# KiCad board unibone.kicad_pcb (continued)
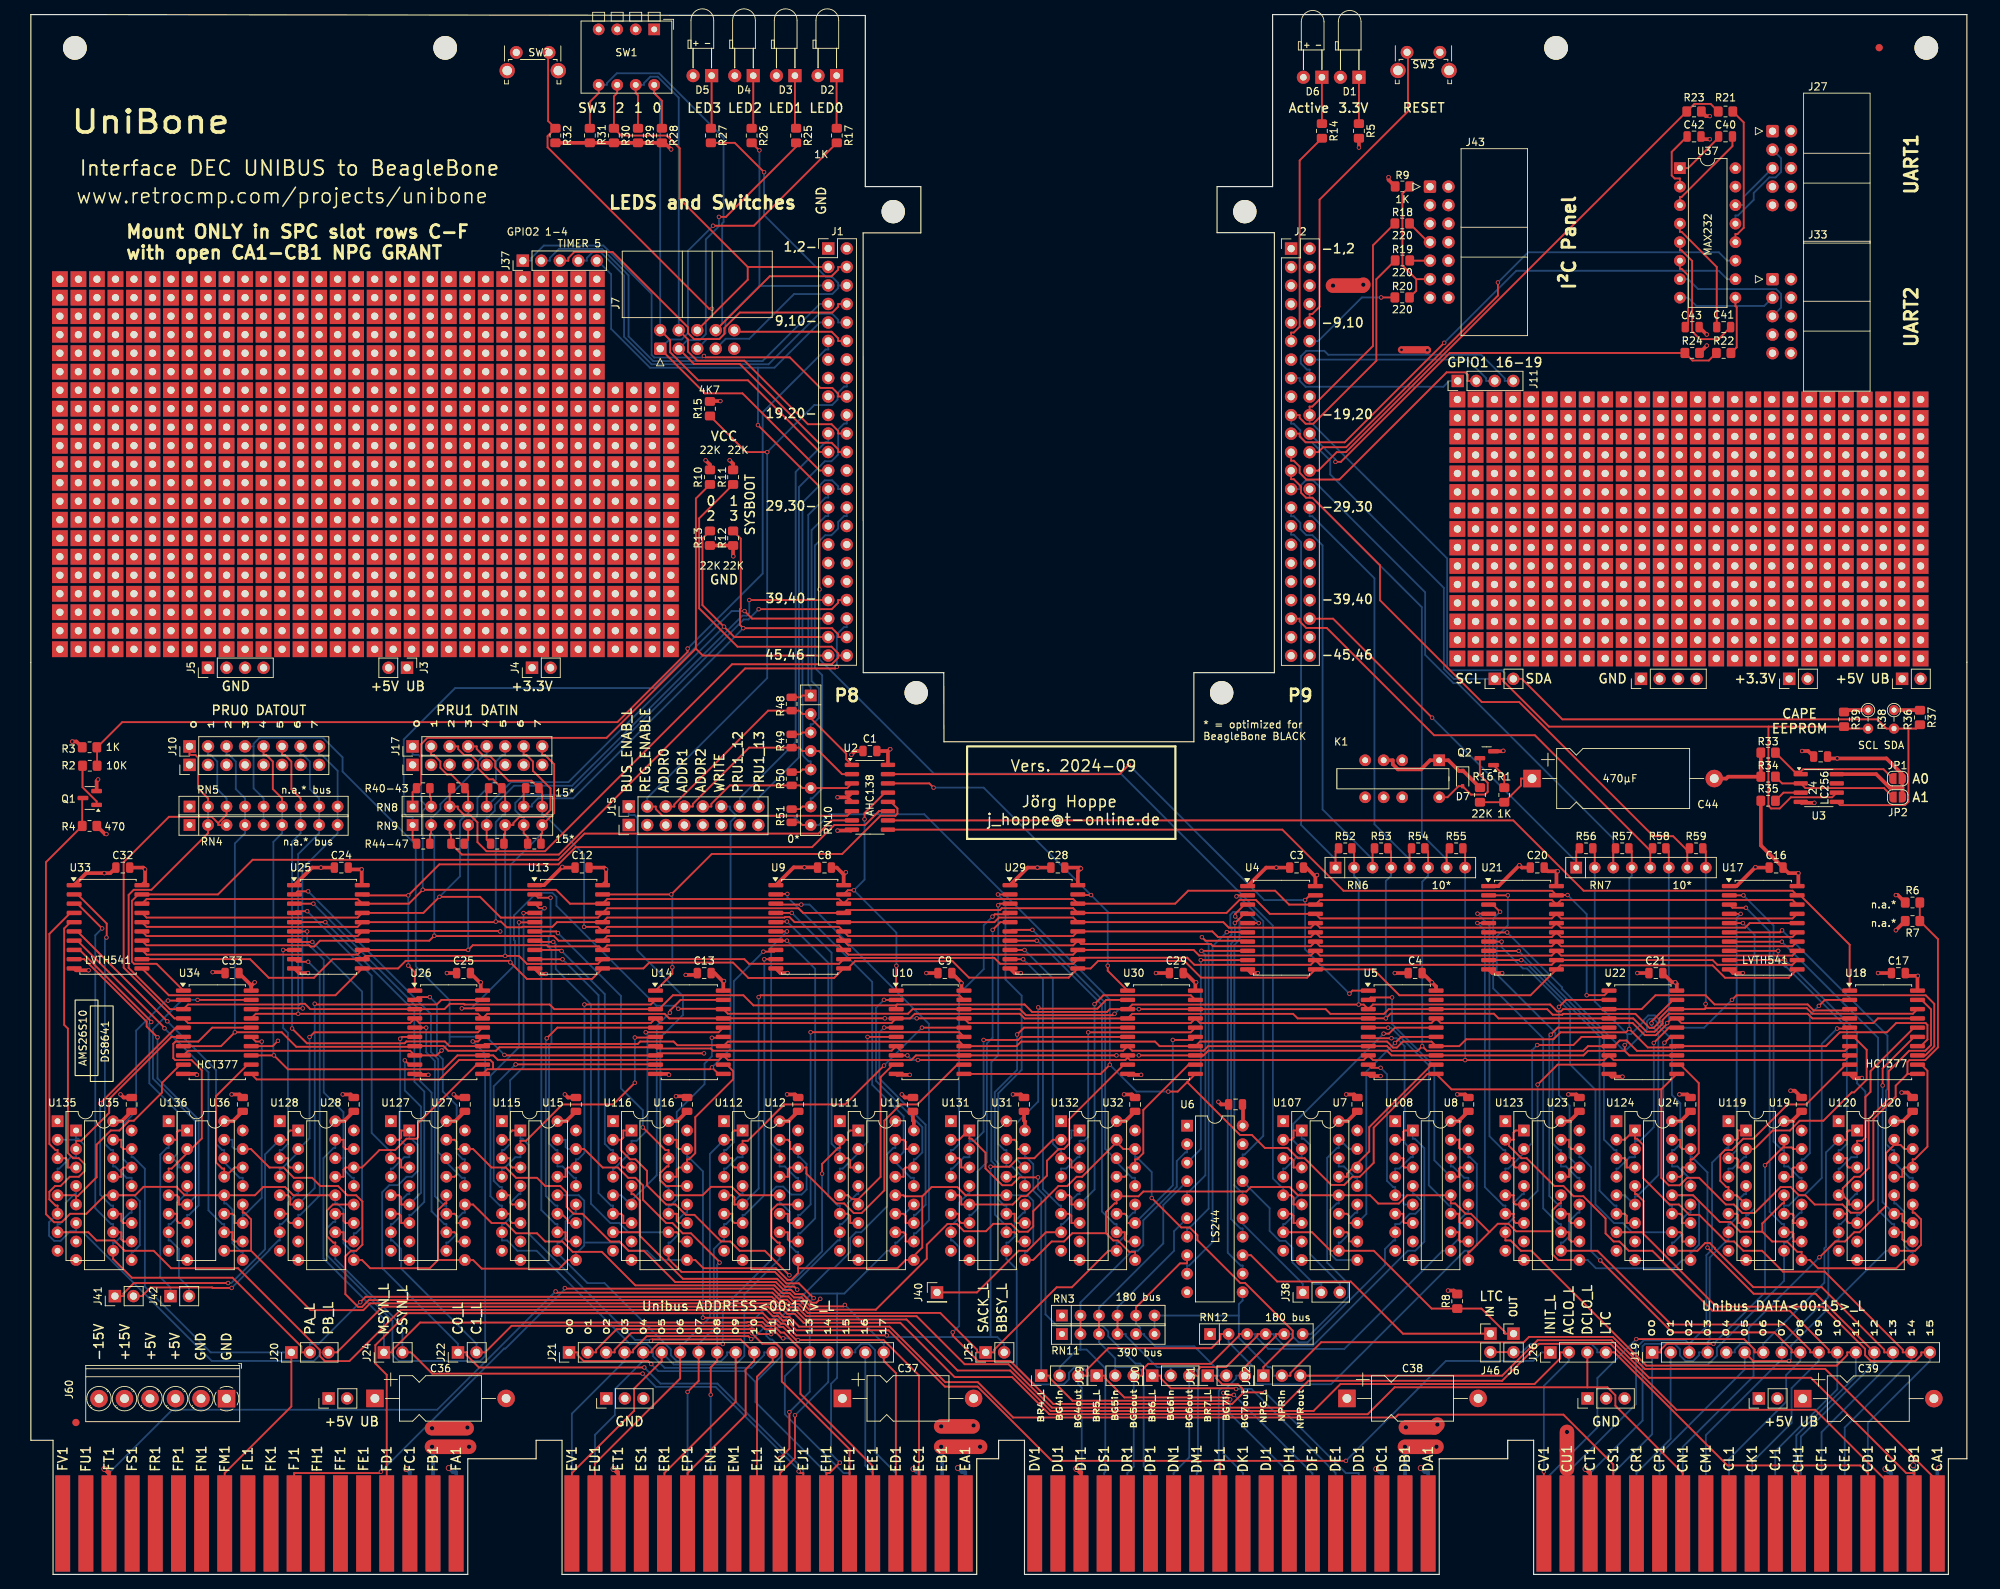
[diagram p0: board, top side]
## Routing (per net, layer and track width the routed paths; a pad name or vN(x,y) marks a point on that pad's centre or on a via; arc(x,y) is an arc through that point) (continued)
  In1.Cu w0.25: v1(230.34,200.18) v1(230.34,197.01) 230.34,194.02 U37.15 ; 252.99,83.01 252.53,82.55 ; 180.01,181.86 v1(186.27,191.8) v1(182.2,195.86) 193.27,206.93 193.27,208.28 ; J36.4 230.95,120.51 C44.2 230.84,109.14 ; 229.93,167.64 v1(229.93,168.69) v1(229.93,170.21)
  In1.Cu w0.4: 188.07,44.3 188.2,44.3 U8.7 ; 188.07,44.3 187.05,44.3 184.01,41.25 175.88,41.25 172.83,44.3 ; 188.07,44.3 190.1,42.27 190.1,41.76 190.61,41.25 199.25,41.25 202.29,44.3 203.31,44.3 ; 233.28,68.27 U119.1 232.9,62.21 ; 203.31,44.3 206.36,41.25 214.49,41.25 217.53,44.3 218.55,44.3 ; 203.31,44.3 203.44,44.3 U23.7 ; 233.79,44.3 232.77,44.3 229.73,41.25 221.6,41.25 218.55,44.3 ; 233.79,44.3 235.82,42.27 236.33,42.27 237.35,41.25 244.97,41.25 248.01,44.3 249.03,44.3 ; 233.79,44.3 234.3,44.81 234.43,44.81 U19.7 ; 127.49,44.43 U31.7 ; 127.49,44.43 126.22,44.43 123.55,41.76 114.92,41.76 112.25,44.43 ; 127.49,44.43 U31.8 130.16,41.76 138.79,41.76 141.33,44.3 142.35,44.3 ; 96.38,44.43 U12.7 ; 96.38,44.43 95.11,44.43 92.44,41.76 83.8,41.76 81.14,44.43 ; 96.38,44.43 99.04,41.76 108.31,41.76 110.98,44.43 112.25,44.43 ; 50.66,44.43 49.39,44.43 46.72,41.76 38.08,41.76 U28.8 35.42,44.43 ; 50.66,44.43 U27.7 ; 50.66,44.43 U27.8 53.32,41.76 61.96,41.76 64.63,44.43 65.9,44.43 ; 3.67,44.43 4.94,44.43 ; 4.94,44.43 U35.8 7.35,41.96 16.44,41.96 18.91,44.43 20.18,44.43 ; 4.94,44.43 U35.7 ; 202.29,68.33 U123.1 202.29,62.21 ; 142.35,44.3 142.48,44.3 U32.7 ; 142.35,44.3 146.41,40.24 157.13,40.24 U6.10 160.13,37.24 ; 141.33,62.21 U132.1 141.33,68.58 ; 35.42,44.43 U28.7 ; 35.42,44.43 34.15,44.43 31.48,41.76 22.84,41.76 U36.8 20.18,44.43 ; v1(218.36,68.33) U124.1 217.53,62.21 ; 218.55,44.3 218.68,44.3 U24.7 ; 49.39,62.21 U127.1 49.39,68.33 49.64,68.58 ; 64.88,68.58 64.63,68.33 U115.1 64.63,62.21 ; U6.1 158.63,61.6 159.62,62.59 162.92,62.59 ; J7.9 102.41,168.25 ; 160.13,37.19 167.75,37.19 171.81,41.25 171.81,44.3 172.83,44.3 ; U7.7 172.96,44.3 172.83,44.3 ; 171.81,62.21 U107.1 171.81,68.52 ; 20.18,44.43 U36.7 ; 81.14,44.43 79.87,44.43 77.2,41.76 68.56,41.76 U15.8 65.9,44.43 ; 81.14,44.43 U16.7 ; 110.98,62.21 U111.1 110.98,68.45 111.11,68.58 ; 79.87,62.21 U116.1 79.87,68.33 80.12,68.58 ; 126.09,68.58 126.22,68.45 U131.1 126.22,62.21 ; 264.37,41.76 251.75,41.96 U20.8 ; 95.36,68.58 95.11,68.33 U112.1 95.11,62.21 ; 162.92,62.59 162.92,62.38 U6.19 ; 162.92,62.59 162.92,64.62 ; 249.03,44.3 250.55,42.78 ; 249.03,44.3 249.16,44.3 U20.7 ; 7.99,68.43 3.67,64.11 U135.1 3.67,62.21 ; 33.89,68.58 34.15,68.33 U128.1 34.15,62.21 ; RN11.1 128.37,33 ; 65.9,44.43 U15.7 ; 112.25,44.43 U11.7 ; 187.18,62.21 U108.1 187.18,68.27 187.05,68.4 ; 18.91,62.21 U136.1 18.91,68.28 18.65,68.54 ; 248.52,68.16 248.01,67.66 U120.1 248.01,62.21
  In1.Cu w0.5: U12.8 97.65,43.16 ; 103.68,99.69 103.8,99.57 103.98,99.57 ; J13.2 216.11,24.16 ; C39.2 261.09,24.13 261.24,23.98 ; U107.8 171.82,44.3 ; 119.48,68.58 119.49,68.57 ; 215.22,175.01 218.89,171.34 218.92,171.34 ; 103.74,68.57 103.74,68.58 ; 110.67,100.2 110.67,100.07 111.09,99.66 ; U135.8 3.67,44.43 ; 204.14,45 U23.7 ; 126.22,44.43 U131.8 ; v1(244.69,105.92) 244.53,105.92 ; 160.18,37.19 160.13,37.24 ; SW3.2 193.27,208.91 193.27,208.28 ; 42.78,68.57 42.78,68.58 ; U11.8 113.52,43.16 ; 188.9,45 U8.7 ; U20.8 250.55,43.16 ; 230.83,100.23 230.84,100.24 ; 256.66,68.11 256.66,67.06 256.65,67.05 ; U24.8 219.88,42.97 ; v1(7.92,82.93) 8.02,82.93 8.02,82.93 ; U136.8 18.91,44.43 ; 189.6,42.93 U8.8 ; U123.8 202.3,44.3 ; 58.01,68.58 58.02,68.57 ; U16.8 82.41,43.16 ; U111.8 110.98,44.43 ; 134.72,68.58 134.73,68.57 ; U32.8 143.68,42.97 ; U124.8 217.54,44.3 ; v1(5.67,114.33) 5.61,114.26 5.55,114.26 ; U119.8 232.9,44.3 ; U120.8 248.02,44.3 ; 73.26,68.57 73.26,68.58 ; 189.6,42.78 189.6,42.71 ; 250.46,42.87 250.65,43.06 ; 129.32,24.16 129.35,24.13 ; 79.87,44.43 U116.8 ; v1(24.94,82.68) 24.94,82.68 24.94,82.61 ; 66.53,43.79 U15.8 ; U7.8 174.16,42.97 ; C38.2 198.55,24.13 ; U19.8 235.12,42.97 ; v1(255.86,88.42) 255.87,88.42 255.87,88.39 ; U128.8 34.15,44.43 ; 213.51,24.15 213.51,22.11 213.51,22.11 ; U132.8 141.34,44.3 ; U112.8 95.11,44.43 ; 5.57,43.79 U35.8 ; U108.8 187.18,44.3 ; 149.96,68.58 149.97,68.57 ; v1(10.08,96.27) 9.96,96.14 ; 210.93,67.71 210.93,68.33 ; 27.53,68.58 27.54,68.57 ; U23.8 204.64,42.97 ; 249.86,45 U20.7 ; U127.8 49.39,44.43 ; U115.8 64.63,44.43
  In1.Cu w1: v1(38.02,82.55) v1(57.07,82.55) v1(70.66,82.42) 81.51,82.35 ; v1(38.02,82.55) 24.94,82.61 8.18,82.68 ; v1(38.02,82.55) 37.52,82.55 ; 103.56,82.3 v1(103.81,82.55) ; v1(103.81,82.55) v1(122.86,82.55) v1(135.81,82.55) v1(154.36,82.55) v1(168.33,82.55) 171.37,82.55 ; v1(103.81,82.55) 97.71,82.55 95.94,84.33 91.11,84.33 91.04,84.18 v1(89.84,82.3) 84.21,82.33 ; 189.59,23.81 197.76,24.13 198.55,24.13 213.51,24.15 216.11,24.16 218.65,24.16 ; 189.59,23.81 U8.8 ; 189.59,23.81 184.58,18.8 v2(184.58,14.48) ; 9.96,96.14 9.96,98.93 18.47,99.06 ; 102.68,182.02 102.68,168.52 102.41,168.25 ; 102.68,182.02 J1.1 J1.2 ; 102.68,182.02 v1(87.84,195.61) ; 18.47,102.87 18.47,99.06 ; 18.47,102.87 18.58,118.73 18.59,119.45 ; 18.47,102.87 RN4.1 ; 18.47,99.06 39.8,99.06 ; 256.12,68.11 253.42,70.82 v1(253.42,82.55) v1(234.87,82.55) v1(220.4,82.55) v1(201.85,82.55) v1(187.12,82.55) 174.55,82.55 ; 256.12,68.11 v1(251.2,68.15) 248.52,68.16 241.41,68.22 ; 256.12,68.11 256.66,68.11 261.54,68.07 264.37,65.24 264.37,27.34 261.24,23.98 254.43,16.67 v2(254.43,14.48) ; 42.78,65.75 v1(42.78,65.89) 42.78,68.57 ; 149.97,68.57 v1(149.97,65.89) 149.97,65.75 ; 81.51,82.35 77.14,77.98 77.14,68.58 ; 81.51,82.35 84.21,82.33 ; 70.54,68.58 77.14,68.58 ; 70.54,68.58 70.03,68.58 ; 70.54,68.58 70.03,68.58 ; 106.13,99.6 v1(106.13,97.06) ; 106.13,99.6 108.2,99.62 111.09,99.66 122.83,99.79 125.65,99.82 137.85,99.82 ; 106.13,99.6 102.27,99.56 89.43,99.41 86.48,99.38 ; 103.74,65.75 v1(103.74,65.89) 103.74,68.57 ; 174.72,68.5 171.81,68.52 162.92,68.58 ; 174.72,68.5 180.45,68.45 ; 174.72,68.5 174.72,82.38 174.55,82.55 ; 83.09,99.34 86.48,99.38 ; 83.09,99.34 72.92,99.22 ; 83.09,99.34 82.85,99.57 82.85,102.87 ; 86.48,99.38 84.21,97.11 84.21,82.33 ; 77.14,68.58 v1(87.55,68.58) 88.5,68.58 ; 6.23,28.23 6.23,29.26 6.21,29.28 U35.8 ; 6.23,28.23 20.94,28.23 23.35,25.83 J60.2 J60.1 ; 6.23,28.23 6.27,20.07 v2(10.08,14.48) ; 252.99,88 255.87,88.39 256.12,88.42 ; 252.99,88 252.99,83.01 ; 252.99,88 252.99,101.35 ; 236.6,100.27 243.26,100.33 244.53,101.6 ; 236.6,100.27 v1(236.6,97.08) ; 236.6,100.27 232.11,100.24 230.83,100.23 220.08,100.13 204.22,100 ; 162.92,68.58 v1(162.92,64.88) 162.92,64.62 ; 162.92,68.58 v1(152.32,68.58) 135.31,68.58 ; 39.8,99.06 v1(39.8,97.03) ; 39.8,99.06 56.82,99.06 72.92,99.22 ; 12.3,68.48 7.99,68.43 8.02,82.93 8.05,95.46 9.83,96.14 ; 12.3,68.48 18.65,68.54 v1(22.78,68.58) 28.12,68.58 ; 12.3,68.47 v1(12.3,65.89) 12.3,65.75 ; 150.04,99.82 150.63,99.82 ; 150.04,99.82 137.85,99.82 ; 150.04,99.82 150.63,99.82 ; 150.63,99.82 170.87,99.82 ; 88.5,68.58 99.87,68.58 ; 88.5,68.58 v1(88.5,65.64) ; J14.1 C36.2 ; J14.1 v2(79.93,14.48) ; J14.1 J14.3 ; C36.2 67.17,33.34 U15.8 ; C36.2 55.68,24.26 51.49,18.29 v2(51.49,14.48) ; 102.41,161.07 v1(94.6,161.07) ; 101.27,68.58 99.87,68.58 ; 101.27,68.58 v1(120.57,68.58) 134.88,68.58 ; 101.27,68.58 99.87,68.58 ; 226.17,68.3 v1(218.36,68.33) 196.01,68.33 ; 226.17,68.3 226.17,68.3 ; 226.17,68.3 v1(226.17,65.89) ; 226.17,68.3 233.28,68.27 239.03,68.23 241.41,68.22 ; 72.92,99.22 v1(72.92,97.12) ; 244.53,111.19 244.53,112.27 243.76,113.03 v1(243,113.03) ; 171.37,82.55 174.55,82.55 ; 171.37,82.55 171.37,96.52 v1(170.87,97.03) 170.87,99.82 ; 180.45,68.45 v1(180.45,65.89) ; 180.45,68.45 v1(185.18,68.41) 187.05,68.4 192.74,68.35 196.01,68.33 ; 135.31,68.58 134.88,68.58 ; 135.31,68.58 134.88,68.58 ; J2.44 J2.46 ; J2.44 180.01,128.52 180.01,181.86 ; J2.44 J2.43 ; J2.46 175.44,100.08 175.18,99.82 ; J2.46 J2.45 ; 70.03,68.58 60.12,68.58 ; 28.63,68.58 28.12,68.58 ; 28.63,68.58 v1(54.53,68.58) 58.6,68.58 ; 28.63,68.58 28.12,68.58 ; 215.22,175.04 222.62,167.64 J33.9 238.94,166.44 240.02,165.35 241.78,165.35 247.07,170.64 247.07,179.83 J27.9 236.4,187.96 U37.15 ; 82.85,102.87 J57.2 J57.3 J57.4 J57.5 J57.6 J57.7 J57.8 ; 82.85,102.87 J57.1 81,102.87 J56.8 J56.7 J56.6 J56.5 J56.4 J56.3 J56.2 J56.1 J23.8 J23.7 J23.6 J23.5 J23.4 J23.3 J23.2 J23.1 18.53,111.12 ; v2(213.28,14.48) 213.51,22.11 J13.1 ; 60.12,68.58 58.6,68.58 ; 60.12,68.58 58.6,68.58 ; C37.2 121.11,24.16 121.08,24.13 v2(121.08,14.48) ; v2(143.43,14.48) 143.43,18.29 139.62,22.73 134.29,22.73 129.35,24.13 ; J36.1 220.9,121.09 v1(202.02,113.06) ; 102.41,137.8 103.68,136.52 103.68,99.69 ; 110.67,100.2 v1(110.67,102.11) v1(110.67,106.67) 110.67,112.39 v1(112.58,112.52) 112.7,112.52 ; 256.65,67.96 v1(256.65,66.15) 256.65,65.89 ; 170.87,99.82 175.18,99.82 ; 175.18,99.82 183.57,99.82 204.22,100 ; J43.14 215.22,175.01 ; J43.14 J43.13 189.47,175.26 182.87,181.86 180.01,181.86 ; J43.14 J43.12 J43.10 J43.8 J43.6 ; 196.01,68.33 195.58,68.33 v1(195.69,65.89) ; 204.22,100 v1(204.22,97.36) ; 180.01,181.86 176.46,181.86 176.33,182 J2.2 J2.1 ; 241.41,68.22 v1(241.41,66.4) 241.41,66.15 ; 18.59,119.45 18.63,124.49 ; 18.59,119.45 5.55,119.41 5.55,109.76 6.18,109.12 v1(9.23,109.12) 9.48,109.12 ; 27.54,65.75 v1(27.54,65.89) 27.54,68.57 ; v1(138.1,97.03) 137.85,97.28 137.85,99.82 ; 210.93,65.64 v1(210.93,65.89) 210.93,67.71 ; 134.73,65.75 v1(134.73,65.89) 134.73,68.57 ; 102.41,139.73 96.4,139.73 v1(96.38,139.75) 96.35,139.73 ; 119.49,65.75 v1(119.49,65.89) 119.49,68.57 ; 58.02,65.75 v1(58.02,65.89) 58.02,68.57 ; 230.84,100.24 C44.2 ; 73.26,68.57 v1(73.26,65.89) 73.26,65.75
  In1.Cu w1.5: J5.4 J5.3 J5.2 J5.1 18.63,124.49 ; J36.1 J36.2 J36.3 J36.4 228.14,122.55 ; 102.41,168.25 102.41,137.8 ; 244.53,111.19 244.53,101.6 252.73,101.6 ; C37.2 128.37,33 U31.8
  Bottom w0.5: J16.DC2 185.35,14.04 185.02,14.04 v2(184.58,14.48) ; v2(51.49,14.48) 51.92,14.04 52,14.04 52,12.83 ; J16.EC2 121.85,14.04 121.52,14.04 v2(121.08,14.48) ; J16.CC2 255.2,14.04 254.87,14.04 v2(254.43,14.48)
/DS8641-ADR07/busdriver3/in1: length 32
  Top w0.25: U11.14 120.02,55.86 119.73,55.57 119.73,54.59 U111.13 ; v1(117.04,78.87) U10.2
  Bottom w0.25: U11.14 121.14,56.98 121.36,56.98 122.3,57.93 122.3,61.4 115.95,67.75 115.95,77.78 v1(117.04,78.87)
/DS8641-ADR07/busdriver3/in2: length 35.8
  Top w0.25: U111.11 119.73,49.51 120.02,49.22 120.02,48.24 U11.11 ; v1(117.06,75.07) 118.71,75.07 U10.5
  Bottom w0.25: v1(117.06,75.07) 116.41,74.41 116.41,68.08 122.75,61.73 122.75,50.74 121.38,49.36 121.14,49.36 U11.11
/DS8641-ADR07/busdriver3/in3: length 25.2
  Top w0.25: U10.6 v1(114.79,73.79)
  Bottom w0.25: U11.2 113.52,58.12 ; 113.52,58.12 114.79,59.39 v1(114.79,73.79) ; 113.52,58.12 113.52,57.84 111.4,55.71 110.98,55.71 U111.4
/DS8641-ADR07/busdriver3/in4: length 24.4
  Top w0.25: 113.52,51.52 116.58,54.57 116.58,68.26 118.29,69.98 U10.9 ; 113.52,51.52 112.64,51.52 112.11,52.05 U111.5 ; 113.52,51.52 U11.5
/DS8641-ADR07/busdriver3/out1: length 50.4
  Top w0.25: U9.2 102.28,93.41 v1(103.79,93.41)
  Bottom w0.25: U111.14 118.6,56.85 ; 118.6,56.85 118.6,56.57 120.72,54.44 121.14,54.44 U11.13 ; 118.6,56.85 119.74,57.98 119.74,62.9 115.43,67.21 115.43,81.34 103.79,92.97 v1(103.79,93.41)
/DS8641-ADR07/busdriver3/out2: length 62.4
  Top w0.25: U9.3 102.33,91.95 v1(105.7,91.95) ; U11.10 120.02,45.7 120.02,46.68 119.73,46.97 U111.10
  Bottom w0.25: U11.10 121.14,46.82 121.42,46.82 123.21,48.61 123.21,75.57 106.83,91.95 v1(105.7,91.95)
/DS8641-ADR07/busdriver3/out3: length 42.4
  Top w0.25: U9.4 v1(104.39,90.81) ; U111.3 112.11,57.13 112.4,56.84 112.4,55.86 U11.3
  Bottom w0.25: v1(104.39,90.81) 109.86,85.34 109.86,59.1 110.7,58.25 110.98,58.25 U111.3
/DS8641-ADR07/busdriver3/out4: length 48.5
  Top w0.25: U11.6 112.4,48.24 112.4,49.22 112.11,49.51 U111.6 ; v1(103.74,89.62) 102.3,89.62 U9.5
  Bottom w0.25: U111.6 110.98,50.63 110.7,50.63 109.41,51.93 109.41,83.95 v1(103.74,89.62)
/DS8641-ADR07/busdriver4/in1: length 43.5
  Top w0.25: U112.13 103.85,54.59 103.85,55.57 104.14,55.86 U12.14 106.39,55.86 106.39,55.02 110.48,50.92 111.58,50.92 112.9,49.6 113.97,49.6 117.09,52.72 117.09,62.29 119.32,64.52 121.63,64.52 127.09,69.98 U10.12
/DS8641-ADR07/busdriver4/in2: length 52
  Top w0.25: U12.11 104.14,48.24 103.85,48.53 103.85,49.51 U112.11 ; U10.15 127.37,74.43 v1(106.98,74.43)
  Bottom w0.25: v1(106.98,74.43) 106.98,50.8 105.55,49.36 105.27,49.36 U12.11
/DS8641-ADR07/busdriver4/in3: length 43.4
  Top w0.25: U12.2 97.65,59.52 98.36,59.52 103.35,64.52 111.71,64.52 v1(117.05,69.85) ; U10.16 v1(122.25,75.06)
  Bottom w0.25: U12.2 97.65,57.27 96.95,57.27 95.39,55.71 95.11,55.71 U112.4 ; v1(117.05,69.85) v1(122.25,75.06)
/DS8641-ADR07/busdriver4/in4: length 61.6
  Top w0.25: U12.5 96.52,50.78 96.52,51.76 96.23,52.05 U112.5 ; v1(99.85,79.26) 100.09,79.5 127.38,79.5 U10.19
  Bottom w0.25: U12.5 99.85,52.98 v1(99.85,79.26)
/DS8641-ADR07/busdriver4/out1: length 39.6
  Top w0.25: 102.21,88.26 102.21,88.27 v1(103.73,88.27)
  Bottom w0.25: v1(103.73,88.27) 101.56,86.1 101.56,59.14 102.45,58.25 102.73,58.25 U112.14 102.73,56 103.43,56 104.99,54.44 105.27,54.44 U12.13
/DS8641-ADR07/busdriver4/out2: length 49.2
  Top w0.25: U12.10 104.14,45.7 103.85,45.99 103.85,46.97 U112.10 ; U9.7 v1(103.74,87)
  Bottom w0.25: U12.10 105.27,46.82 105.55,46.82 107.6,48.88 107.6,83.13 v1(103.74,87)
/DS8641-ADR07/busdriver4/out3: length 36.2
  Top w0.25: U12.3 96.52,55.86 96.23,56.15 96.23,57.13 U112.3 ; v1(100.5,85.49) 101.97,85.49 U9.8
  Bottom w0.25: v1(100.5,85.49) 96.45,81.43 96.45,59.31 95.39,58.25 95.11,58.25 U112.3
/DS8641-ADR07/busdriver4/out4: length 42.8
  Top w0.25: U12.6 96.52,48.24 96.23,48.53 96.23,49.51 U112.6 ; U9.9 102.2,84.45 v1(100.63,84.45)
  Bottom w0.25: U12.6 97.65,49.36 97.93,49.36 100.63,52.06 v1(100.63,84.45)
/DS8641-ADR167+MSYN/busdriver3/in1: length 31.4
  Top w0.25: v1(54.74,79.25) 53.06,79.25 U26.2 ; U127.13 58.13,54.59 58.42,54.88 58.42,55.86 U27.14
  Bottom w0.25: U27.14 59.55,56.98 59.27,56.98 58.42,57.83 58.42,64.39 56.52,66.29 56.52,70.72 55.72,71.52 55.72,78.27 v1(54.74,79.25)
/DS8641-ADR167+MSYN/busdriver3/in2: length 32.1
  Top w0.25: v1(54.24,75.06) U26.5 ; U127.11 58.13,49.51 58.42,49.22 58.42,48.24 U27.11
  Bottom w0.25: U127.11 57.01,50.63 56.73,50.63 55.43,51.93 55.43,70.48 54.24,71.68 v1(54.24,75.06)
/DS8641-ADR167+MSYN/busdriver3/in3: length 23.2
  Top w0.25: U26.6 50.93,73.79 v1(50.67,73.53)
  Bottom w0.25: U127.4 49.39,55.71 49.67,55.71 51.23,57.27 51.93,57.27 U27.2 50.67,59.65 v1(50.67,73.53)
/DS8641-ADR167+MSYN/busdriver3/in4: length 26.6
  Top w0.25: U27.5 50.8,50.78 50.8,51.76 50.51,52.05 U127.5 ; v1(51.31,70.56) 51.9,69.98 U26.9
  Bottom w0.25: v1(51.31,70.56) 51.31,66.43 53.53,64.21 53.53,52.38 U27.5
/DS8641-ADR167+MSYN/busdriver3/out1: length 51.9
  Top w0.25: U25.2 36.59,93.77 v1(38.04,93.77)
  Bottom w0.25: 57.01,56.85 55.88,57.97 55.88,70.72 54.89,71.71 54.89,76.92 v1(38.04,93.77) ; 57.01,56.85 U127.14 ; 57.01,56.85 57.01,56.57 59.13,54.44 59.55,54.44 U27.13
/DS8641-ADR167+MSYN/busdriver3/out2: length 59.1
  Top w0.25: U27.10 58.42,45.7 58.42,46.68 58.13,46.97 U127.10 ; U25.3 v1(38.77,92.07)
  Bottom w0.25: v1(38.77,92.07) 53.41,77.43 53.41,67.71 54.98,66.13 54.98,49.84 56.73,48.09 57.01,48.09 U127.10
/DS8641-ADR167+MSYN/busdriver3/out3: length 44.3
  Top w0.25: U25.4 36.4,91.04 v1(37.92,91.04) ; U127.3 50.51,57.13 50.8,56.84 50.8,55.86 U27.3
  Bottom w0.25: U127.3 49.39,58.25 49.11,58.25 46.76,60.6 46.76,82.19 v1(37.92,91.04)
/DS8641-ADR167+MSYN/busdriver3/out4: length 55.8
  Top w0.25: U127.6 50.51,49.51 50.8,49.22 50.8,48.24 U27.6 ; v1(40.4,89.53) U25.5
  Bottom w0.25: v1(40.4,89.53) 52.61,77.32 52.61,67.65 53.98,66.29 53.98,51.14 52.21,49.36 51.93,49.36 U27.6
/DS8641-ADR167+MSYN/busdriver4/bus3: length 43
  Top w0.25: J41.1 12.71,38.21 12.71,38.57 14.14,40 v1(27.06,40) ; U28.1 35.56,60.94 35.27,60.65 35.27,59.67 U128.2
  Bottom w0.25: U128.2 32.13,57.65 32.13,44.63 27.5,40 v1(27.06,40)
/DS8641-ADR167+MSYN/busdriver4/bus4: length 32.2
  Top w0.25: J41.2 15.25,38.21 16.44,39.4 24.87,39.4 24.94,39.33 v1(27.54,39.33)
  Bottom w0.25: v1(27.54,39.33) 32.73,44.52 32.73,44.61 33.97,45.84 34.15,45.84 U128.7 34.15,48.09 34.43,48.09 35.27,48.94 35.27,51.01 36.45,52.19 36.69,52.19 U28.4
/DS8641-ADR167+MSYN/busdriver4/in1: length 28.3
  Top w0.25: U26.12 61.17,69.98 53.13,61.94 53.13,60.02 52.93,59.81 51.54,59.81 49.98,58.25 47.83,58.25 45.43,55.86 U28.14 43.18,55.86 42.89,55.57 42.89,54.59 U128.13
/DS8641-ADR167+MSYN/busdriver4/in2: length 86.2
  Top w0.25: U28.11 43.18,48.24 42.89,48.53 42.89,49.51 U128.11 ; v1(60.62,73.16) 61.35,73.16 U26.15
  Bottom w0.25: v1(60.62,73.16) 62.33,71.46 62.33,29.98 61.64,29.3 50.47,29.3 49.61,30.16 49.61,34.82 40.59,43.84 40.59,47.49 41.49,48.38 41.77,48.38 U128.11
/DS8641-ADR167+MSYN/busdriver4/in3: length 45.4
  Top w0.25: v1(38.24,73.76) 38.89,74.41 61.33,74.41 U26.16
  Bottom w0.25: U28.2 36.69,58.32 ; 36.69,58.32 36.69,57.96 34.44,55.71 34.15,55.71 U128.4 ; 36.69,58.32 38.24,59.87 v1(38.24,73.76)
/DS8641-ADR167+MSYN/busdriver4/in4: length 55.5
  Top w0.25: U28.5 35.56,50.78 35.56,51.76 35.27,52.05 U128.5 ; U26.19 56.33,78.87 55.7,78.23 39.05,78.23 v1(38.94,78.34)
  Bottom w0.25: U28.5 38.94,53.04 v1(38.94,78.34)
/DS8641-ADR167+MSYN/busdriver4/out1: length 40.6
  Top w0.25: 36.17,88.26 36.17,88.26 v1(37.91,88.26)
  Bottom w0.25: 42.89,57.13 42.89,63.46 40.19,66.16 40.19,84.37 37.91,86.65 v1(37.91,88.26) ; 42.89,57.13 42.89,55.63 44.07,54.44 44.31,54.44 U28.13 ; 42.89,57.13 U128.14
/DS8641-ADR167+MSYN/busdriver4/out2: length 50.7
  Top w0.25: U25.7 36.34,86.82 v1(38.62,86.82) ; U28.10 43.18,45.7 42.89,45.99 42.89,46.97 U128.10
  Bottom w0.25: v1(38.62,86.82) 45.44,80.01 45.44,47.67 44.59,46.82 44.31,46.82 U28.10
/DS8641-ADR167+MSYN/busdriver4/out3: length 34.7
  Top w0.25: U128.3 35.27,57.13 35.27,56.15 35.56,55.86 U28.3 ; U25.8 v1(34.62,85.72)
  Bottom w0.25: U128.3 34.15,58.25 34.43,58.25 35.27,59.1 35.27,74.35 34.62,75.01 v1(34.62,85.72)
/DS8641-ADR167+MSYN/busdriver4/out4: length 43.6
  Top w0.25: U25.9 36.52,84.1 v1(38.05,84.1) ; U28.6 35.56,48.24 35.27,48.53 35.27,49.51 U128.6
  Bottom w0.25: v1(38.05,84.1) 39.64,82.51 39.64,52.03 36.97,49.36 36.69,49.36 U28.6
/DS8641-ADR815/busdriver3/in1: length 36.7
  Top w0.25: v1(75.94,78.24) 85.07,78.24 U14.2 ; U115.13 73.37,54.59 73.37,55.57 73.66,55.86 U15.14
  Bottom w0.25: U15.14 74.79,56.98 75.07,56.98 75.94,57.86 v1(75.94,78.24)
/DS8641-ADR815/busdriver3/in2: length 43.8
  Top w0.25: v1(70.78,73.6) 72.24,75.06 U14.5 ; U115.11 72.81,49.51 73.66,48.66 73.66,48.24 U15.11
  Bottom w0.25: U115.11 72.25,50.63 71.97,50.63 70.65,51.95 70.65,73.47 v1(70.78,73.6)
/DS8641-ADR815/busdriver3/in3: length 34.6
  Top w0.25: U14.6 85.61,73.7 v1(82.87,73.7) ; U15.2 67.17,59.52 67.93,59.52 72.92,64.52 79.89,64.52 v1(82.87,67.49)
  Bottom w0.25: U15.2 67.17,57.27 66.47,57.27 64.91,55.71 64.63,55.71 U115.4 ; v1(82.87,67.49) v1(82.87,73.7)
/DS8641-ADR815/busdriver3/in4: length 42.7
  Top w0.25: U115.5 65.75,52.05 65.75,51.07 66.04,50.78 U15.5 ; v1(66.51,70.02) 85.66,70.02 U14.9
  Bottom w0.25: U115.5 64.63,53.17 64.35,53.17 63.5,54.02 63.5,67.01 v1(66.51,70.02)
/DS8641-ADR815/busdriver3/out1: length 44.6
  Top w0.25: v1(71.3,92.9) 69.59,92.9 U13.2
  Bottom w0.25: v1(71.3,92.9) 71.3,87.79 71.04,87.54 71.04,86.12 71.43,85.74 71.43,72.94 71.1,72.61 71.1,59.17 72.01,58.25 72.25,58.25 U115.14 72.25,56 72.95,56 74.51,54.44 74.79,54.44 U15.13
/DS8641-ADR815/busdriver3/out2: length 51
  Top w0.25: U115.10 73.37,46.97 73.37,45.99 73.66,45.7 U15.10 ; U13.3 69.76,91.46 v1(70.47,91.46)
  Bottom w0.25: v1(70.47,91.46) 70.03,91.02 70.03,50.03 71.97,48.09 72.25,48.09 U115.10
/DS8641-ADR815/busdriver3/out3: length 40.2
  Top w0.25: U115.3 65.75,57.13 65.75,56.15 66.04,55.86 U15.3 ; U13.4 67.61,90.81 v1(67.59,90.79)
  Bottom w0.25: U115.3 64.63,58.25 64.91,58.25 65.75,59.1 65.75,67.82 67.59,69.66 v1(67.59,90.79)
/DS8641-ADR815/busdriver3/out4: length 48.3
  Top w0.25: U115.6 65.75,49.51 65.75,48.53 66.04,48.24 U15.6 ; U13.5 69.11,89.51 v1(66.97,89.51)
  Bottom w0.25: v1(66.97,89.51) 66.97,72.37 63.05,68.45 63.05,51.93 64.35,50.63 64.63,50.63 U115.6
/DS8641-ADR815/busdriver4/in1: length 21.4
  Top w0.25: U14.12 95.47,69.98 96.35,69.1 96.35,67.97 91.15,62.77 91.15,57.83 90.31,56.98 90.03,56.98 U16.14 88.9,55.86 88.61,55.57 88.61,54.59 U116.13
/DS8641-ADR815/busdriver4/in2: length 32
  Top w0.25: U14.15 94.88,73.67 v1(93.43,73.67) ; U116.11 88.61,49.51 88.61,48.53 88.9,48.24 U16.11
  Bottom w0.25: v1(93.43,73.67) 93.43,71.12 92.42,70.12 92.42,67.3 88.61,63.49 88.61,51.48 87.77,50.63 87.49,50.63 U116.11
/DS8641-ADR815/busdriver4/in3: length 33.3
  Top w0.25: v1(84.35,74.42) 94.36,74.42 U14.16
  Bottom w0.25: v1(84.35,74.42) 84.59,74.19 84.59,61 83.11,59.52 82.41,59.52 U16.2 82.41,58.07 80.05,55.71 79.87,55.71 U116.4
/DS8641-ADR815/busdriver4/in4: length 39.6
  Top w0.25: U14.19 89.14,78.87 87.68,77.4 v1(87.68,77.11)
  Bottom w0.25: v1(87.68,77.11) 85.87,75.3 85.87,54.8 82.41,51.34 ; 82.41,51.34 81.7,51.34 80.99,52.05 U116.5 ; 82.41,51.34 U16.5
/DS8641-ADR815/busdriver4/out1: length 48.3
  Top w0.25: 69.14,88.26 72.09,88.26 v1(72.32,88.04) ; v1(83.96,61.36) 87.07,58.25 87.49,58.25 U116.14 87.49,56 87.25,56 86.34,55.09 86.34,54.12 87.14,53.32 U16.13
  Bottom w0.25: v1(83.96,61.36) 83.96,63.72 80.96,66.73 80.96,79.4 v1(72.32,88.04)
/DS8641-ADR815/busdriver4/out2: length 56.6
  Top w0.25: v1(71.67,86.83) 69.31,86.83 U13.7 ; U116.10 88.61,46.97 88.9,46.68 88.9,45.7 U16.10
  Bottom w0.25: v1(71.67,86.83) 72.01,86.48 72.01,83.1 76.84,78.27 76.84,50.9 79.5,48.24 80.73,48.24 82,46.97 U116.10
/DS8641-ADR815/busdriver4/out3: length 38.9
  Top w0.25: U16.3 81.28,55.86 80.99,56.15 80.99,57.13 U116.3 ; U13.8 72.67,85.72 v1(72.81,85.58)
  Bottom w0.25: v1(72.81,85.58) 78.74,79.65 78.74,59.1 79.59,58.25 79.87,58.25 U116.3
/DS8641-ADR815/busdriver4/out4: length 45.4
  Top w0.25: U116.6 80.99,49.51 81.28,49.22 81.28,48.24 U16.6 ; U13.9 69.16,84.44 v1(72.94,84.44)
  Bottom w0.25: v1(72.94,84.44) 77.88,79.5 77.88,52.34 79.59,50.63 79.87,50.63 U116.6
/DS8641-ARB/busdriver3/in1: length 40.2
  Top w0.25: U30.2 147.53,78.87 146.33,77.67 138.38,77.67 v1(138.2,77.84) ; U131.13 134.97,54.59 135.26,54.88 135.26,55.86 U31.14
  Bottom w0.25: U31.14 135.22,57.02 135.22,61.93 138.2,64.91 v1(138.2,77.84)
/DS8641-ARB/busdriver3/in2: length 45.9
  Top w0.25: v1(135.3,74.11) 136.25,75.06 U30.5 ; U31.11 135.26,48.24 134.97,48.53 134.97,49.51 U131.11
  Bottom w0.25: v1(135.3,74.11) 135.3,69.26 132.24,66.2 132.24,56.91 132.74,56.41 132.74,55.52 132.72,55.49 132.72,51.48 133.56,50.63 133.84,50.63 U131.11
/DS8641-ARB/busdriver3/in3: length 41.6
  Top w0.25: U30.6 135.86,73.79 135.44,73.37 v1(130.71,73.37)
  Bottom w0.25: v1(130.71,73.37) 130.71,60.77 129.47,59.52 128.76,59.52 U31.2 128.76,57.27 128.02,57.27 126.46,55.71 126.22,55.71 U131.4
